# KiCad board audio-latency-processing-board.kicad_pcb (continued)
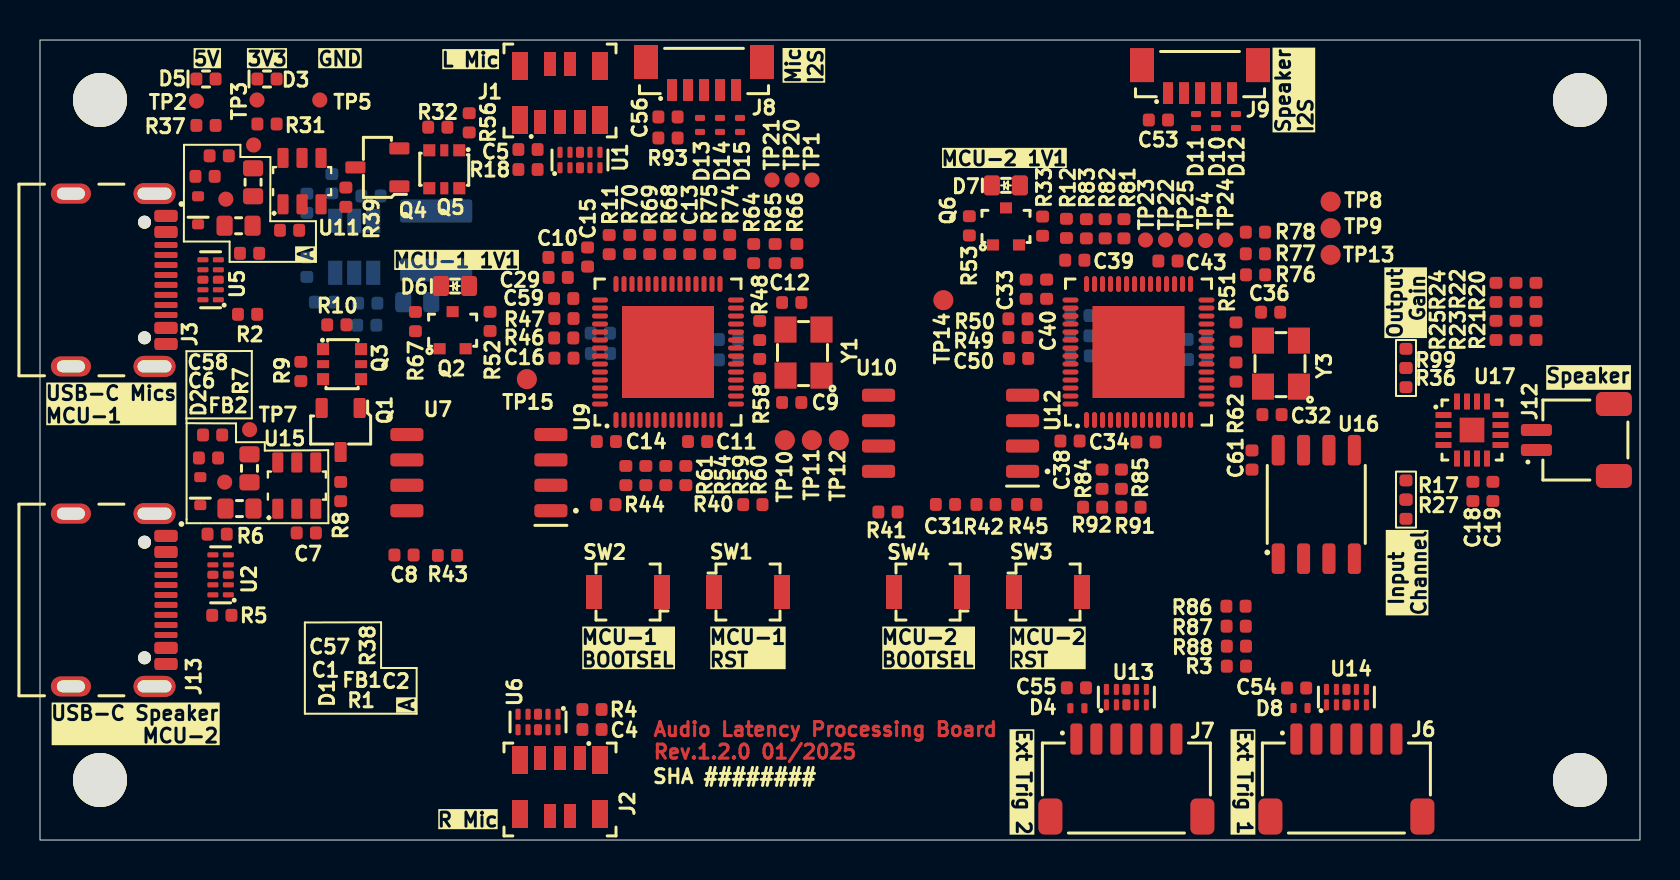
[diagram p0: board, top side]
## Library data of the parts (continued)
U9 = -: Datasheet: https://datasheets.raspberrypi.com/rp2040/rp2040-datasheet.pdf; Description: ARM MCU, Raspberry Pi, Dual ARM Cortex-M0+, 32 bit, 133MHz, 264 KB; Manufacturer: Raspberry Pi; Author: Antmicro; License: Apache-2.0; Field8: License: Apache-2.0; Field9: Author: Antmicro
U11 = -: Datasheet: https://www.diodes.com/assets/Datasheets/AP22652_53_52A_53A.pdf; Description: Power Switch/Driver 1:1 P-Channel 2.1A SOT-26; Manufacturer: Diodes Incorporated; MPN: AP22652W6-7; Author: Antmicro; License: Apache-2.0; Field8: License: Apache-2.0; Field10: Author: Antmicro
U12 = -: Datasheet: https://datasheets.raspberrypi.com/rp2040/rp2040-datasheet.pdf; Description: ARM MCU, Raspberry Pi, Dual ARM Cortex-M0+, 32 bit, 133MHz, 264 KB; Manufacturer: Raspberry Pi; Author: Antmicro; License: Apache-2.0; Field9: Author: Antmicro; Field10: License: Apache-2.0
U13 = -: Datasheet: https://www.ti.com/lit/ds/symlink/tpd4e05u06-q1.pdf?HQS=dis-mous-null-mousermode-dsf-pf-null-wwe&ts=1663591265741&ref_url=https%253A%252F%252Fwww.mouser.com%252F; Description: TVS diode array, 12 kV, USON-10, 5.5 V, 0.5 pF; Manufacturer: Texas Instruments; Author: Antmicro; License: Apache-2.0; Field9: Author: Antmicro; Field10: License: Apache-2.0
U15 = -: Datasheet: https://www.diodes.com/assets/Datasheets/AP22652_53_52A_53A.pdf; Description: Power Switch/Driver 1:1 P-Channel 2.1A SOT-26; Manufacturer: Diodes Incorporated; MPN: AP22652W6-7; Author: Antmicro; License: Apache-2.0; Field9: License: Apache-2.0; Field10: Author: Antmicro
U16 = -: Datasheet: https://www.issi.com/WW/pdf/66-67WVS4M8ALL-BLL.pdf; Description: SPI, SRAM 32Mb, SerialRAM, 2.7V-3.6V, 104MHz, 8 pin SOIC 150 mil; Manufacturer: ISSI; Author: Antmicro; License: Apache-2.0; Field9: License: Apache-2.0; Field10: Author: Antmicro
U17 = -: Datasheet: https://www.analog.com/media/en/technical-documentation/data-sheets/max98357a-max98357b.pdf; Description: I2S Class D Amplifier, 2.5V to 5.5V, 3.2W into 4Ω at 5V, TQFN-16; Manufacturer: Analog Devices; MPN: MAX98357AETE+T; Author: Antmicro; License: Apache-2.0; Field9: Author: Antmicro; Field10: License: Apache-2.0
Y1 = -: Datasheet: https://abracon.com/Resonators/ABM8G.pdf; Description: Crystal, 12 MHz, SMT, 3.2mm x 2.5mm, 30 ppm, 18 pF, 20 ppm, ABM8G; MPN: ABM8G-12.000MHZ-18-D2Y-T; Manufacturer: Abracon; Author: Antmicro; License: Apache-2.0; Val: 12 MHz; Field9: Author: Antmicro; Field10: License: Apache-2.0
Y3 = -: Datasheet: https://abracon.com/Resonators/ABM8G.pdf; Description: Crystal, 12 MHz, SMT, 3.2mm x 2.5mm, 30 ppm, 18 pF, 20 ppm, ABM8G; MPN: ABM8G-12.000MHZ-18-D2Y-T; Manufacturer: Abracon; Author: Antmicro; License: Apache-2.0; Val: 12 MHz; Field9: License: Apache-2.0; Field11: Author: Antmicro

## Footprints (pads in the part's own frame, mm; a bottom-side part is the same pattern mirrored in y, then rotated)
C_0402_1005Metric
  rrect 0.59x0.64 smd: 1(-0.48,0) 2(0.48,0)
Conn_FFC_Molex_5019510550
  rect 1.2x0.6 smd: 1(-1.575,1) 2(1.325,0.5) 3(-1.575,0) 4(1.325,-0.5) 5(-1.575,-1)
  rect 1.4x0.8 smd: MP(-1.475,2) MP(-1.475,-2) MP(1.225,2) MP(1.225,-2)
Conn_JST_SH_1x2_SM02B-SRSS-TB-LF-SN
  rrect 0.6x1.55 smd: 1(-0.5,1.975) 2(0.5,1.975)
  rrect 1.2x1.8 smd: MP(-1.8,-1.9) MP(1.8,-1.9)
Conn_JST_SH_1x6_SM06B-SRSS-TB-LF-SN
  rrect 0.6x1.55 smd: 1(-2.5,2.1) 2(-1.5,2.1) 3(-0.5,2.1) 4(0.5,2.1) 5(1.5,2.1) 6(2.5,2.1)
  rrect 1.2x1.8 smd: MP(-3.8,-1.775) MP(3.8,-1.775)
Conn_JST_SUR_1x5_BM05B-SURS-TF-LF-SN
  rect 1.092x0.5 smd: 1(-0.955,1.6) 2(-0.955,0.8) 3(-0.955,0) 4(-0.955,-0.8) 5(-0.955,-1.6)
  rect 1.7x1.2 smd: MP(0.445,2.9) MP(0.445,-2.9)
FB_0603_1608Metric
  rrect 0.8x1 smd: 1(-0.7,0) 2(0.7,0)
L_Vishay-IFSC-1515AH
  rrect 1.15x3.6 smd: 1(-1.475,0) 2(1.475,0)
LED_0402_1005Metric_G
  rrect 0.59x0.64 smd: 1(-0.48,0) 2(0.48,0)
LED_0603_1608Metric_G
  rrect 0.8x1 smd: 1(-0.7,0) 2(0.7,0)
MP_NPTH_Drill2.7mm
  round 2.7 hole 2.7 unplated: (0,0)
QFN-56-1EP_7x7mm_P0.4mm_EP4.6x4.6mm
  rrect 1.3x1.3 smd: (-1.525,1.525) (-1.525,0) (-1.525,-1.525) (0,1.525) (0,0) (0,-1.525) (1.525,1.525) (1.525,0) (1.525,-1.525)
  oval 0.8x0.25 smd: 1(-3.4,2.6) 2(-3.4,2.2) 3(-3.4,1.8) 4(-3.4,1.4) 5(-3.4,1) 6(-3.4,0.6) 7(-3.4,0.2) 8(-3.4,-0.2) 9(-3.4,-0.6) 10(-3.4,-1) 11(-3.4,-1.4) 12(-3.4,-1.8) 13(-3.4,-2.2) 14(-3.4,-2.6) 29(3.4,-2.6) 30(3.4,-2.2) 31(3.4,-1.8) 32(3.4,-1.4) 33(3.4,-1) 34(3.4,-0.6) 35(3.4,-0.2) 36(3.4,0.2) 37(3.4,0.6) 38(3.4,1) 39(3.4,1.4) 40(3.4,1.8) 41(3.4,2.2) 42(3.4,2.6)
  oval 0.25x0.8 smd: 15(-2.6,-3.4) 16(-2.2,-3.4) 17(-1.8,-3.4) 18(-1.4,-3.4) 19(-1,-3.4) 20(-0.6,-3.4) 21(-0.2,-3.4) 22(0.2,-3.4) 23(0.6,-3.4) 24(1,-3.4) 25(1.4,-3.4) 26(1.8,-3.4) 27(2.2,-3.4) 28(2.6,-3.4) 43(2.6,3.4) 44(2.2,3.4) 45(1.8,3.4) 46(1.4,3.4) 47(1,3.4) 48(0.6,3.4) 49(0.2,3.4) 50(-0.2,3.4) 51(-0.6,3.4) 52(-1,3.4) 53(-1.4,3.4) 54(-1.8,3.4) 55(-2.2,3.4) 56(-2.6,3.4)
  rect 4.6x4.6 smd: 57(0,0)
R_0402_1005Metric
  rrect 0.59x0.64 smd: 1(-0.48,0) 2(0.48,0)
R_0603_1608Metric
  rrect 0.8x1 smd: 1(-0.7,0) 2(0.7,0)
Resonator_SMD_Abracon_ABM8G_3.2x2.5mm
  rrect 1.3x1.1 smd: 1(-1.101,-0.949)
  rect 1.3x1.1 smd: 2(1.199,-0.949) 3(1.199,0.85) 4(-1.101,0.85)
SOD-523
  rrect 0.5x0.6 smd: 1(-0.701,0) 2(0.699,0)
SOIC-8_3.9x4.9x1.75mm_P1.27mm
  rrect 1.525x0.65 smd: 1(-2.714,1.905) 2(-2.714,0.635) 3(-2.714,-0.632) 4(-2.714,-1.902) 5(2.712,-1.902) 6(2.712,-0.632) 7(2.712,0.635) 8(2.712,1.905)
SOIC-8_5.3x5.3x2mm_P1.27mm
  rrect 1.65x0.65 smd: 1(-3.601,1.905) 2(-3.601,0.635) 3(-3.601,-0.633) 4(-3.601,-1.904) 5(3.6,-1.904) 6(3.6,-0.633) 7(3.6,0.635) 8(3.6,1.905)
SOT-23-3
  rrect 1x0.6 smd: 1(-1.1,0.951) 2(-1.1,-0.949) 3(1.1,0.001)
SOT-23-6
  rrect 0.55x1 smd: 1(-0.954,-1.1) 2(-0.003,-1.1) 3(0.947,-1.1) 4(0.947,1.214) 5(-0.003,1.214) 6(-0.954,1.214)
SOT-323
  rect 0.55x0.6 smd: 1(-0.927,0.652) 2(-0.927,-0.65) 3(0.925,0)
SOT-323#2
  rect 0.55x0.6 smd: 1(-0.927,0.652) 2(-0.927,-0.65) 3(0.925,0)
SOT-363
  custom 0.6x0.6 smd: 1(-0.948,0.752) 3(-0.948,-0.745) 4(0.951,-0.745) 6(0.951,0.752)
  rect 0.6x0.4 smd: 2(-0.948,0.002) 5(0.951,0.002)
SW_B3U-1000P_SMD
  rect 0.8x1.7 smd: 1(-1.7,0) 2(1.699,0)
TP_SMD_0.75mm
  round 0.75 smd: 1(0,0)
TP_SMD_0.75mm#2
  round 0.75 smd: 1(0.07,0)
TP_SMD_1mm
  round 1 smd: 1(0,0)
TQFN-16-1EP_3x3mm_P0.5mm
  rrect 0.8x0.3 smd: 1(-1.425,0.75) 2(-1.425,0.25) 3(-1.425,-0.25) 4(-1.425,-0.75) 9(1.425,-0.75) 10(1.425,-0.25) 11(1.425,0.25) 12(1.425,0.75)
  rrect 0.3x0.8 smd: 5(-0.75,-1.425) 6(-0.25,-1.425) 7(0.25,-1.425) 8(0.75,-1.425) 13(0.75,1.425) 14(0.25,1.425) 15(-0.25,1.425) 16(-0.75,1.425)
  rect 1.23x1.23 smd: 17(0,0)
TSOT23-6
  rect 1.2x0.7 smd: 1(-1.301,0.947) 2(-1.301,-0.004) 3(-1.301,-0.954) 4(1.299,-0.954) 5(1.299,-0.004) 6(1.299,0.947)
USB-C_Receptacle_GCT_USB4105-GF-A
  round 0.65 hole 0.65 unplated: (-2.891,2.426) (2.89,2.426)
  rrect 0.6x1.15 smd: A1(-3.202,3.5) A4(-2.4,3.5) A9(2.398,3.5) A12(3.2,3.5) B1(3.2,3.5) B4(2.398,3.5) B9(-2.4,3.5) B12(-3.202,3.5)
  rrect 0.3x1.15 smd: A5(-1.25,3.5) A6(-0.25,3.5) A7(0.248,3.5) A8(1.249,3.5) B5(1.749,3.5) B6(0.748,3.5) B7(-0.75,3.5) B8(-1.75,3.5)
  oval 1.05x2.1 hole 0.6x1.7: SH(-4.321,2.926) SH(4.32,2.926)
  oval 1x2 hole 0.6x1.4: SH(-4.321,-1.255) SH(4.32,-1.255)
USON-10_2.5x1mm_P0.5mm
  rrect 0.55x0.25 smd: 1(-0.387,1) 2(-0.387,0.5) 4(-0.387,-0.498) 5(-0.387,-0.998) 6(0.385,-0.998) 7(0.385,-0.498) 9(0.385,0.5) 10(0.385,1)
  rrect 0.55x0.4 smd: 3(-0.387,0) 8(0.385,0)
XDFN-2_1x0.60mm
  rrect 0.3x0.5 smd: 1(-0.351,0) 2(0.349,0)

## Nets
+3V3: C8.2 C10.2 C11.2 C13.2 C14.2 C15.2 C16.2 C28.2 C29.2 C31.2 C33.2 C34.2 C37.2 C38.2 C39.2 C40.2 C43.2 C50.2 C53.2 C54.2 C55.2 C59.2 C60.2 C61.2 D3.2 D4.2 D6.2 D7.2 D8.2 FB3.2 J6.2 J7.2 J9.1 R4.2 R18.2 R40.1 R41.1 R42.1 R43.1 R91.2 R92.2 R93.2 TP3.1 U7.8 U9.1 U9.10 U9.22 U9.33 U9.42 U9.43 U9.44 U9.48 U9.49 U10.8 U12.1 U12.10 U12.22 U12.33 U12.42 U12.43 U12.44 U12.48 U12.49 U16.8
+5V: C18.2 C19.2 C44.2 D5.2 Q1.2 Q3.1 Q4.2 Q5.1 R27.2 R28.1 R99.2 TP2.1 U8.3 U17.7 U17.8
/RP2040 - 1/+1V1_MCU1: C17.2 C30.2 C35.2 R52.1 TP15.1 U9.23 U9.45 U9.50
/RP2040 - 2/+1V1_MCU2: C42.2 C51.2 C52.2 R33.1 TP14.1 U12.23 U12.45 U12.50
GND: C1.1 C2.1 C4.1 C5.1 C6.1 C7.1 C8.1 C9.1 C10.1 C11.1 C12.1 C13.1 C14.1 C15.1 C16.1 C17.1 C18.1 C19.1 C28.1 C29.1 C30.1 C31.1 C32.1 C33.1 C34.1 C35.1 C36.1 C37.1 C38.1 C39.1 C40.1 C42.1 C43.1 C44.1 C46.1 C47.1 C50.1 C51.1 C52.1 C53.1 C54.1 C55.1 C56.1 C57.1 C58.1 C59.1 C60.1 C61.1 D1.2 D2.2 D4.1 D8.1 D10.1 D11.1 D12.1 D13.1 D14.1 D15.1 J1.2 J1.MP J2.2 J2.MP J3.A1 J3.A12 J3.B1 J3.B12 J3.SH J6.1 J6.MP J7.1 J7.MP J8.2 J8.MP J9.2 J9.MP J12.MP J13.A1 J13.A12 J13.B1 J13.B12 J13.SH Q2.2 Q6.2 R1.2 R2.2 R5.2 R6.2 R8.1 R9.1 R10.1 R17.1 R30.1 R31.1 R32.1 R36.1 R37.2 R39.1 R56.1 SW1.1 SW2.1 SW3.1 SW4.1 TP5.1 U1.3 U1.8 U2.3 U2.8 U5.3 U5.8 U6.3 U6.8 U7.4 U8.1 U9.19 U9.57 U10.4 U11.2 U11.3 U12.19 U12.57 U13.3 U13.8 U14.3 U14.8 U15.2 U15.3 U16.4 U17.3 U17.11 U17.15 U17.17 Y1.2 Y1.4 Y3.2 Y3.4
/2xUSB + Power/USB1.D_N: J3.A7 J3.B7 R46.1 U5.4 U5.7
/2xUSB + Power/USB1.D_P: J3.A6 J3.B6 R47.1 U5.2 U5.9
/2xUSB + Power/USB1_CC1: J3.A5 R1.1 U5.1 U5.10
/2xUSB + Power/USB1_CC2: J3.B5 R2.1 U5.5 U5.6
/2xUSB + Power/USB1_VBUS: C57.2 Q4.3 Q5.4 R38.2 TP6.1 U11.6
/2xUSB + Power/USB2.D_N: J13.A7 J13.B7 R49.1 U2.4 U2.7
/2xUSB + Power/USB2.D_P: J13.A6 J13.B6 R50.1 U2.2 U2.9
/2xUSB + Power/USB2_CC1: J13.A5 R5.1 U2.1 U2.10
/2xUSB + Power/USB2_CC2: J13.B5 R6.1 U2.5 U2.6
/2xUSB + Power/USB2_VBUS: C58.2 Q1.3 Q3.4 R7.2 TP7.1 U15.6
/AMP + Speaker Connector/GAIN: R36.2 R99.1 U17.2
/AMP + Speaker Connector/I2S.SCK: D11.2 J9.3 R77.2 U17.16
/AMP + Speaker Connector/I2S.SD: D12.2 J9.5 R76.2 U17.1
/AMP + Speaker Connector/I2S.WS: D10.2 J9.4 R78.2 U17.14
/AMP + Speaker Connector/SPK_N: J12.2 U17.10
/AMP + Speaker Connector/SPK_P: J12.1 U17.9
/AMP + Speaker Connector/~{SD_MODE}: R17.2 R27.1 U17.4
/IO/TRIGGER1.TRIG1: J6.3 R81.2 R86.1 U14.1 U14.10
/IO/TRIGGER1.TRIG2: J6.4 R82.2 R87.1 U14.2 U14.9
/IO/TRIGGER1.TRIG3: J6.5 R83.2 R88.1 U14.4 U14.7
/IO/TRIGGER1.TRIG4: J6.6 R3.1 R12.2 U14.5 U14.6
/IO/TRIGGER2.TRIG1: J7.3 R68.2 R86.2 U13.1 U13.10
/IO/TRIGGER2.TRIG2: J7.4 R69.2 R87.2 U13.2 U13.9
/IO/TRIGGER2.TRIG3: J7.5 R70.2 R88.2 U13.4 U13.7
/IO/TRIGGER2.TRIG4: J7.6 R3.2 R11.2 U13.5 U13.6
/L + R Ear Microphone Connectors/L-BCLK: J1.3 R22.1 U1.2 U1.9
/L + R Ear Microphone Connectors/L-DATA: J1.5 R20.1 U1.5 U1.6
/L + R Ear Microphone Connectors/L-PWR: C5.2 J1.1 R18.1 U1.1 U1.10
/L + R Ear Microphone Connectors/L-R-Mic.SCK: D13.2 J8.3 R22.2 R23.2 R65.2
/L + R Ear Microphone Connectors/L-R-Mic.SD: D15.2 J8.5 R20.2 R21.2 R66.2
/L + R Ear Microphone Connectors/L-R-Mic.WS: D14.2 J8.4 R24.2 R25.2 R64.2
/L + R Ear Microphone Connectors/L-WS: J1.4 R24.1 U1.4 U1.7
/L + R Ear Microphone Connectors/R-BCLK: J2.3 R23.1 U6.2 U6.9
/L + R Ear Microphone Connectors/R-DATA: J2.5 R21.1 U6.5 U6.6
/L + R Ear Microphone Connectors/R-PWR: C4.2 J2.1 R4.1 U6.1 U6.10
/L + R Ear Microphone Connectors/R-WS: J2.4 R25.1 U6.4 U6.7
/RP2040 - 1/BOOTSEL: R44.1 SW2.2
/RP2040 - 1/I2C0.SCL: R75.2 R85.2 R91.1
/RP2040 - 1/I2C0.SDA: R74.2 R84.2 R92.1
/RP2040 - 1/I2C1.SCL: TP20.1 U9.35
/RP2040 - 1/I2C1.SDA: TP1.1 U9.34
/RP2040 - 1/QSPI_CSn: R43.2 R44.2 U7.1 U9.56
/RP2040 - 1/QSPI_SCLK: U7.6 U9.52
/RP2040 - 1/QSPI_SD0: U7.5 U9.53
/RP2040 - 1/QSPI_SD1: U7.2 U9.55
/RP2040 - 1/QSPI_SD2: U7.3 U9.54
/RP2040 - 1/QSPI_SD3: U7.7 U9.51
/RP2040 - 1/RUN: R40.2 SW1.2 TP10.1 U9.26
/RP2040 - 1/SPI0.MISO: R59.2 R61.2 U12.6
/RP2040 - 1/SPI0.MOSI: R54.2 R60.2 U12.5
/RP2040 - 1/SPI0.SCK: U9.4 U12.4
/RP2040 - 1/SPI0.~{CS0}: U9.7 U12.7
/RP2040 - 1/SWCLK: TP12.1 U9.24
/RP2040 - 1/SWDIO: TP11.1 U9.25
/RP2040 - 1/XIN: C9.2 R58.1 U9.20 Y1.1
/RP2040 - 1/XOUT: R48.2 U9.21
/RP2040 - 1/XOUT_R: C12.2 R48.1 R58.2 Y1.3
/RP2040 - 2/BOOTSEL: R45.1 SW4.2
/RP2040 - 2/I2C1.SCL: TP25.1 U12.35
/RP2040 - 2/I2C1.SDA: TP4.1 U12.34
/RP2040 - 2/QSPI_CSn: R42.2 R45.2 U10.1 U12.56
/RP2040 - 2/QSPI_SCLK: U10.6 U12.52
/RP2040 - 2/QSPI_SD0: U10.5 U12.53
/RP2040 - 2/QSPI_SD1: U10.2 U12.55
/RP2040 - 2/QSPI_SD2: U10.3 U12.54
/RP2040 - 2/QSPI_SD3: U10.7 U12.51
/RP2040 - 2/RUN: R41.2 SW3.2 TP8.1 U12.26
/RP2040 - 2/SPI1.MISO: U12.11 U16.2
/RP2040 - 2/SPI1.MOSI: U12.14 U16.5
/RP2040 - 2/SPI1.SCK: U12.13 U16.6
/RP2040 - 2/SPI1.~{CS0}: U12.12 U16.1
/RP2040 - 2/SWCLK: TP13.1 U12.24
/RP2040 - 2/SWDIO: TP9.1 U12.25
/RP2040 - 2/XIN: C32.2 R62.1 U12.20 Y3.1
/RP2040 - 2/XOUT: R51.2 U12.21
/RP2040 - 2/XOUT_R: C36.2 R51.1 R62.2 Y3.3
Net-(C46-Pad2): C46.2 C47.2 FB3.1 L1.2 R29.2
Net-(C56-Pad2): C56.2 J8.1 R93.1
Net-(D1-C): C1.2 D1.1 FB1.1 J3.A4 J3.A9 J3.B4 J3.B9 TP16.1
Net-(D2-C): C6.2 D2.1 FB2.1 J13.A4 J13.A9 J13.B4 J13.B9 TP17.1
Net-(D3-C): D3.1 R31.2
Net-(D5-C): D5.1 R37.1
Net-(D6-C): D6.1 R67.2
Net-(D7-C): D7.1 R53.2
Net-(Q1-G): Q1.1 Q3.6 R10.2
Net-(Q2-B): Q2.1 R52.2
Net-(Q2-C): Q2.3 R67.1
Net-(Q3-Pad2): Q3.2 Q3.3 Q3.5 R9.2
Net-(Q4-G): Q4.1 Q5.6 R56.2
Net-(Q5-Pad2): Q5.2 Q5.3 Q5.5 R32.2
Net-(Q6-B): Q6.1 R33.2
Net-(Q6-C): Q6.3 R53.1
Net-(U8-BST): C41.1 U8.6
Net-(U8-EN): R28.2 U8.5
Net-(U8-FB): R29.1 R30.2 U8.4
Net-(U8-SW): C41.2 L1.1 U8.2
Net-(U9-GPIO3): R54.1 R61.1 U9.5
Net-(U9-GPIO4): R59.1 R60.1 U9.6
Net-(U9-GPIO16): R66.1 U9.27
Net-(U9-GPIO17): R65.1 U9.28
Net-(U9-GPIO18): R64.1 U9.29
Net-(U9-GPIO20): R74.1 U9.31
Net-(U9-GPIO21): R75.1 U9.32
Net-(U9-GPIO24): TP21.1 U9.36
Net-(U9-GPIO26): R68.1 U9.38
Net-(U9-GPIO27): R69.1 U9.39
Net-(U9-GPIO28): R70.1 U9.40
Net-(U9-GPIO29): R11.1 U9.41
Net-(U9-USB_DM): R46.2 U9.46
Net-(U9-USB_DP): R47.2 U9.47
Net-(U11-ILIM): R39.2 U11.5
Net-(U11-IN): C2.2 FB1.2 R38.1 U11.1
Net-(U12-GPIO16): R76.1 U12.27
Net-(U12-GPIO17): R77.1 U12.28
Net-(U12-GPIO18): R78.1 U12.29
Net-(U12-GPIO19): TP24.1 U12.30
Net-(U12-GPIO20): R84.1 U12.31
Net-(U12-GPIO21): R85.1 U12.32
Net-(U12-GPIO24): TP22.1 U12.36
Net-(U12-GPIO25): TP23.1 U12.37
Net-(U12-GPIO26): R81.1 U12.38
Net-(U12-GPIO27): R82.1 U12.39
Net-(U12-GPIO28): R83.1 U12.40
Net-(U12-GPIO29): R12.1 U12.41
Net-(U12-USB_DM): R49.2 U12.46
Net-(U12-USB_DP): R50.2 U12.47
Net-(U15-ILIM): R8.2 U15.5
Net-(U15-IN): C7.2 FB2.2 R7.1 U15.1

Pads without a net: J3 A8 B8; J13 A8 B8; U9 2 3 8 9 11 12 13 14 15 16 17 18 30 37; U11 4; U12 2 3 8 9 15 16 17 18; U15 4; U16 3 7; U17 5 6 12 13

## Copper pours and planes (outline as drawn; the poured copper is in the pictures)
GND on In1.Cu, In2.Cu: 0,40 80,40 80,0 0,0

## Text on the board
Top: Audio Latency Processing Board / Rev.${REVISION} 01/2025
F.Mask: Audio Latency Processing Board / Rev.${REVISION} 01/2025
F.Silkscreen: Ext Trig 2 | Ext Trig 1 | USB-C Mics / MCU-1 | 5V | 3V3 | GND | MCU-1 1V1 | R Mic | L Mic | MCU-1 / BOOTSEL | SHA ######## | MCU-1 / RST | MCU-2 / BOOTSEL | MCU-2 1V1 | MCU-2 / RST | Speaker | USB-C Speaker / MCU-2 | A | Mic / I2S | Speaker / I2S | Output / Gain | Input / Channel
